# KiCad board klofi.kicad_pcb (continued)
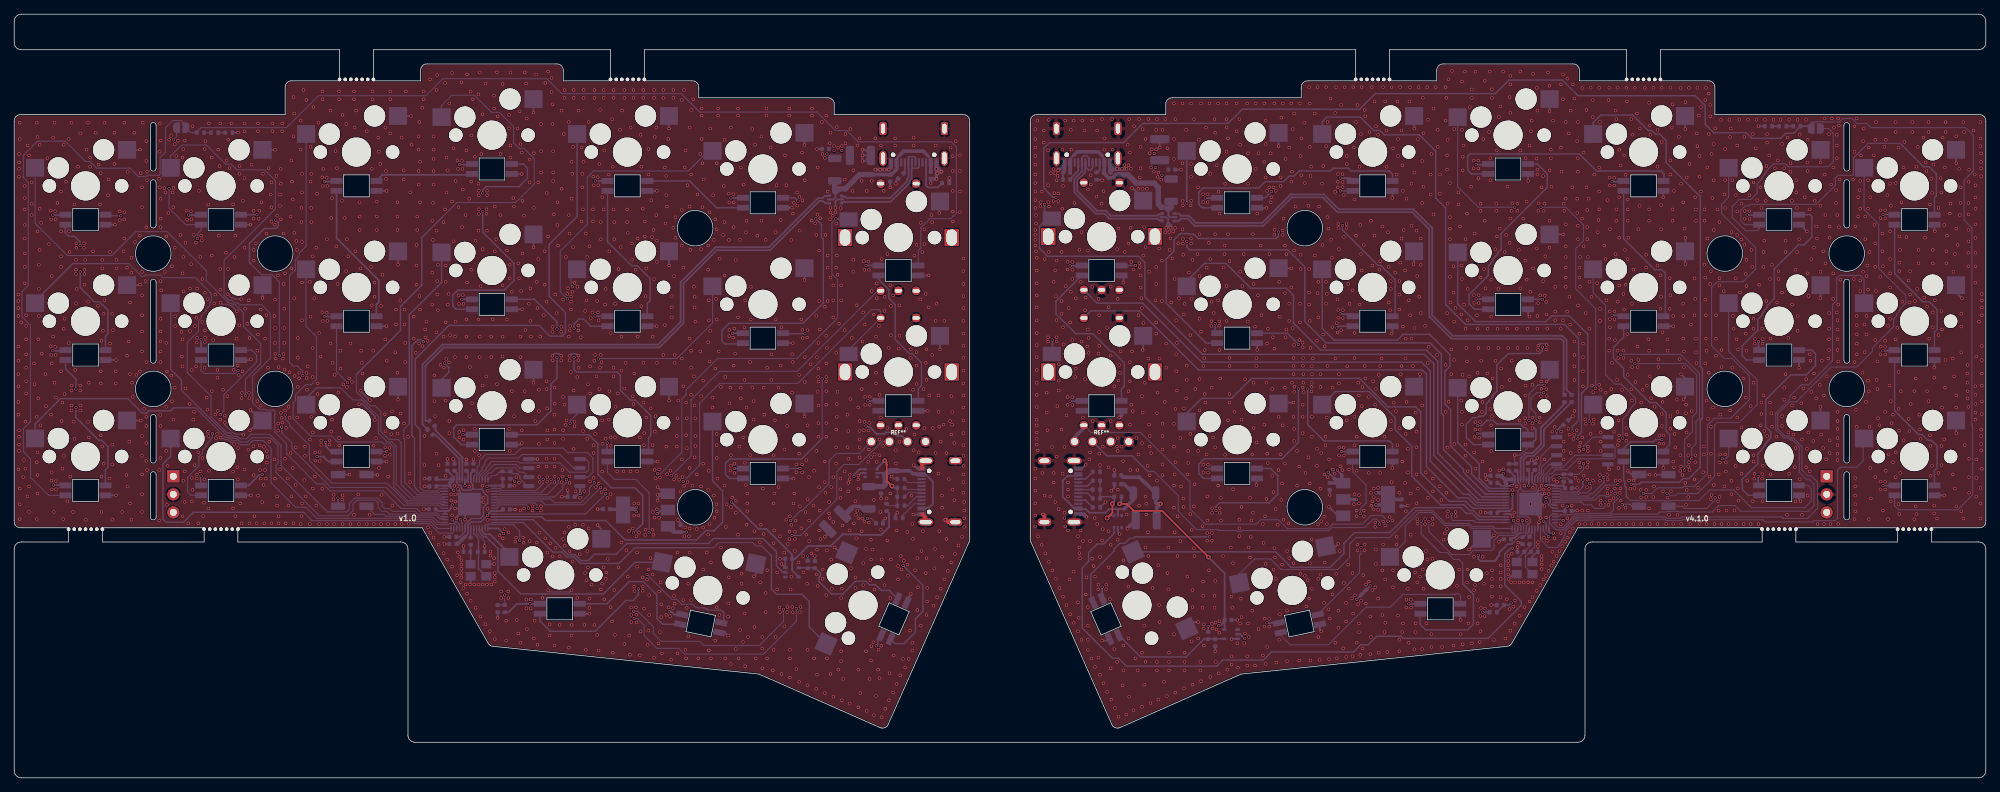
[diagram p0: board, top side]
## Routing (per net, layer and track width the routed paths; a pad name or vN(x,y) marks a point on that pad's centre or on a via; arc(x,y) is an arc through that point) (continued)
 v1(202.68,37.42) v1(202.7,36.86) v1(202.88,27.02) v1(203.08,82.42) v1(203.08,80.72) v1(203.18,29.32) v1(203.28,77.62) v1(203.38,20.22) v1(203.48,72.12) v1(203.48,65.22) v1(203.48,53.12) v1(203.58,98.02) v1(203.58,91.22) v1(203.58,70.22) v1(203.58,51.52) v1(203.58,49.72) v1(203.68,87.42) v1(203.68,85.52) v1(203.68,56.72) v1(203.68,18.8) v1(203.78,89.02) v1(203.88,66.62) v1(203.98,99.42) v1(204.08,75.82) v1(204.08,63.22) v1(204.08,46.92) v1(204.08,45.35) v1(204.18,60.52) v1(204.28,79.42) v1(204.28,58.62) v1(204.28,27.52) v1(204.38,68.82) v1(204.38,64.42) v1(204.38,43.16) v1(204.38,29.32) v1(204.48,21.72) v1(204.58,56.52) v1(204.58,25.42) v1(204.68,94.42) v1(204.88,83.22) v1(204.98,96.92) v1(204.98,95.72) v1(204.98,18.92) v1(205.24,86.9) v1(205.22,85.8) v1(205.26,67.96) v1(205.29,66.86) v1(205.34,47.98) v1(205.28,45.82) v1(205.26,31.12) v1(205.28,26.42) v1(205.38,76.62) v1(205.43,50.08) v1(205.4,27.14) v1(205.48,99.4) v1(205.47,49.01) v1(205.48,43.52) v1(205.68,65.12) v1(205.78,63.22) v1(205.78,57.02) v1(205.78,25.02) v1(205.78,21.72) v1(205.86,86.87) v1(205.89,85.78) v1(205.88,84.42) v1(205.93,67.93) v1(205.91,66.84) v1(205.88,60.52) v1(205.99,47.88) v1(206.12,50.08) v1(206.08,49.01) v1(206.15,22.79) v1(206.08,19.1) v1(206.18,80.82) v1(206.18,79.82) v1(206.18,70.42) v1(206.18,37.42) v1(206.24,23.9) v1(206.18,20.62) v1(206.28,58.72) v1(206.38,51.52) v1(206.48,52.92) v1(206.48,44.52) v1(206.48,31.1) v1(206.58,89.91) v1(206.68,71.62) v1(206.68,27.32) v1(206.78,98.12) v1(206.78,78.42) v1(206.8,23.85) v1(206.78,22.77) v1(206.88,68.92) v1(207.08,28.82) v1(207.18,63.22) v1(207.18,56.92) v1(207.28,60.52) v1(207.38,90.92) v1(207.48,99.4) v1(207.58,87.22) v1(207.58,84.12) v1(207.57,51.92) v1(207.58,43.32) v1(207.68,70.12) v1(207.68,64.92) v1(207.68,49.62) v1(207.68,46.02) v1(207.78,96.92) v1(207.78,95.72) v1(207.78,50.92) v1(207.78,29.22) v1(207.78,28.02) v1(207.78,26.92) v1(207.78,25.52) v1(207.88,56.22) v1(208.08,19.4) v1(208.28,74.42) v1(208.28,58.72) v1(208.38,80.82) v1(208.38,79.82) v1(208.48,88.32) v1(208.48,76.22) v1(208.58,63.22) v1(208.68,68.82) v1(208.68,60.52) v1(208.78,93.02) v1(208.81,43.27) v1(208.88,77.32) v1(208.98,94.52) v1(209.03,29.92) v1(209.03,28.92) v1(209.03,28.02) v1(209.03,26.97) v1(208.98,25.42) v1(209.08,57.62) v1(209.18,55.02) v1(209.38,99.4) v1(209.38,43.44) v1(209.58,74.02) v1(209.68,19.6) v1(209.78,76.42) v1(209.88,25.12) v1(209.98,83.22) v1(209.98,63.22) v1(210.08,60.52) v1(210.09,31.22) v1(210.09,30.52) v1(210.09,29.92) v1(210.09,29.32) v1(210.1,28.65) v1(210.28,95.82) v1(210.28,75.32) v1(210.28,56.02) v1(210.27,23.75) v1(210.38,98.82) v1(210.38,97.62) v1(210.38,93.62) v1(210.38,78.72) v1(210.38,20.7) v1(210.48,27.52) v1(210.65,80.85) v1(210.58,79.82) v1(210.58,58.72) v1(210.58,31.57) v1(210.7,40.51) v1(210.8,24.08) v1(210.93,37.32) v1(211.05,27.52) v1(211.01,24.94) v1(210.98,21.7) v1(211.35,79.82) v1(211.28,63.22) v1(211.28,41.02) v1(211.38,80.82) v1(211.38,60.52) v1(211.45,36.24) v1(211.58,74.32) v1(211.68,50.32) v1(211.68,27.52) v1(211.68,22.8) v1(211.78,99.4) v1(211.78,88.32) v1(211.78,68.92) v1(212.18,78.72) v1(212.25,27.52) v1(212.35,41.12) v1(212.45,50.63) v1(212.38,24) v1(212.51,87.22) v1(212.48,72.82) v1(212.48,55.22) v1(212.48,53.82) v1(212.48,49.92) v1(212.68,81.12) v1(212.68,70.12) v1(212.7,36.2) v1(212.78,63.22) v1(212.78,60.52) v1(212.88,27.52) v1(213.08,89.02) v1(213.08,24.82) v1(213.18,68.42) v1(213.28,91.02) v1(213.38,92.52) v1(213.48,55.32) v1(213.48,50.72) v1(213.48,49.92) v1(213.54,40.83) v1(213.48,27.52) v1(213.48,25.42) v1(213.58,99.1) v1(213.58,71.72) v1(214.04,87.18) v1(214.08,97.12) v1(214.08,74.52) v1(214.08,26.32) v1(214.18,93.92) v1(214.18,85.62) v1(214.18,84.92) v1(214.18,65.02) v1(214.18,63.22) v1(214.25,33.16) v1(214.35,80.85) v1(214.3,79.82) v1(214.28,66.82) v1(214.27,60.23) v1(214.48,50.72) v1(214.51,50.02) v1(214.58,67.92) v1(214.58,27.12) v1(214.71,55.79) v1(214.74,54.76) v1(214.68,53.72) v1(214.75,41.12) v1(214.78,83.12) v1(214.78,31.22) v1(214.78,30.64) v1(214.78,30.02) v1(214.78,29.39) v1(214.98,84.72) v1(214.98,69.92) v1(215.05,40.58) v1(215.08,79.82) v1(215.1,33.8) v1(215.08,27.92) v1(215.18,80.82) v1(215.2,67.85) v1(215.18,44.82) v1(215.28,73.42) v1(215.41,67) v1(215.41,60.3) v1(215.44,54.71) v1(215.4,36.65) v1(215.38,28.42) v1(215.48,65.22) v1(215.48,53.75) v1(215.54,33.36) v1(215.58,63.22) v1(215.68,99.3) v1(215.82,40.68) v1(215.79,39.93) v1(215.78,29.12) v1(215.88,97.42) v1(215.88,85.52) v1(215.88,78.42) v1(215.88,74.62) v1(216.08,88.42) v1(216.08,87.22) v1(216.18,83.22) v1(216.26,48.72) v1(216.21,29.86) v1(216.28,31.82) v1(216.38,92.52) v1(216.49,41.97) v1(216.48,30.42) v1(216.6,49.38) v1(216.58,33.72) v1(216.68,69.12) v1(216.68,65.62) v1(216.68,64.42) v1(216.95,41.66) v1(216.88,31.22) v1(217.28,31.92) v1(217.46,35.7) v1(217.46,34.44) v1(217.48,97.62) v1(217.48,88.72) v1(217.48,63.22) v1(217.49,48.72) v1(217.58,85.32) v1(217.73,38.34) v1(217.68,32.62) v1(217.78,99) v1(217.78,95.52) v1(217.78,64.42) v1(217.88,80.82) v1(217.88,47.32) v1(217.88,46.02) v1(217.88,44.82) v1(217.98,79.82) v1(218.08,33.22) v1(218.18,92.32) v1(218.18,81.52) v1(218.18,77.92) v1(218.18,74.82) v1(218.18,73.32) v1(218.18,71.82) v1(218.18,70.42) v1(218.18,69.12) v1(218.38,98.42) v1(218.38,65.62) v1(218.38,36.52) v1(218.38,33.82) v1(218.54,49.14) v1(218.58,90.72) v1(218.68,67.72) v1(218.7,48.32) v1(218.74,34.57) v1(218.78,63.82) v1(218.88,93.92) v1(218.88,45.72) v1(219.01,38.33) v1(219.08,83.12) v1(219.18,97.62) v1(219.25,47.72) v1(219.18,35.12) v1(219.38,95.62) v1(219.38,61.42) v1(219.38,59.52) v1(219.38,57.92) v1(219.38,56.02) v1(219.38,51.65) v1(219.37,48.27) v1(219.53,42.24) v1(219.69,48.92) v1(219.78,89.62) v1(219.78,81.52) v1(219.78,79.52) v1(219.88,92.32) v1(219.88,87.22) v1(219.88,85.32) v1(219.88,77.72) v1(219.88,75.82) v1(219.88,66.52) v1(219.96,41.8) v1(220.08,71.82) v1(220.08,70.42) v1(220.08,62.52) v1(220.08,46.64) v1(220.08,46.02) v1(220.08,44.42) v1(220.08,35.72) v1(220.18,73.32) v1(220.18,69.12) v1(220.22,47.2) v1(220.18,43.72) v1(220.48,97.12) v1(220.48,78.72) v1(220.48,47.92) v1(220.48,37.62) v1(220.58,61.12) v1(220.58,59.22) v1(220.58,57.22) v1(220.58,55.12) v1(220.68,88.02) v1(220.68,74.82) v1(220.7,42.53) v1(220.89,50.45) v1(220.88,35.75) v1(220.98,65.42) v1(220.99,49.83) v1(221.08,94.02) v1(221.08,83.12) v1(221.18,79.92) v1(221.18,77.52) v1(221.18,75.82) v1(221.18,43.72) v1(221.2,41.99) v1(221.17,40.91) v1(221.28,73.32) v1(221.28,46.62) v1(221.28,46.02) v1(221.28,44.42) v1(221.28,37.62) v1(221.38,81.52) v1(221.48,69.82) v1(221.48,63.22) v1(221.68,97.12) v1(221.68,48.42) v1(221.78,67.72) v1(221.77,35.75) v1(221.88,55.22) v1(221.98,95.42) v1(221.98,93.02) v1(222.03,54.3) v1(221.98,49.84) v1(221.99,41.83) v1(222.1,50.44) v1(222.18,84.92) v1(222.58,69.62) v1(222.68,76.82) v1(222.78,78.52) v1(222.77,35.75) v1(222.88,97.12) v1(222.88,85.92) v1(222.88,82.52) v1(222.88,80.02) v1(222.88,55.32) v1(222.98,92.32) v1(222.98,66.02) v1(222.98,64.32) v1(222.98,42.62) v1(222.98,41.82) v1(223.08,54.62) v1(223.08,48.62) v1(223.08,47.32) v1(223.08,46.02) v1(223.08,39.02) v1(223.08,38.42) v1(223.58,74.92) v1(223.67,35.75) v1(223.78,73.02) v1(223.78,54.22) v1(223.88,67.22) v1(223.98,42.62) v1(224.05,42.01) v1(224.03,40.04) v1(224.08,81.32) v1(224.08,40.72) v1(224.18,95.42) v1(224.18,38.42) v1(224.28,97.12) v1(224.34,84.5) v1(224.32,83.4) v1(224.35,65.65) v1(224.28,61.82) v1(224.28,60.12) v1(224.38,77.22) v1(224.39,64.56) v1(224.38,63.42) v1(224.38,39.02) v1(224.58,54.72) v1(224.68,58.42) v1(224.67,35.75) v1(224.91,39.37) v1(224.96,84.47) v1(224.99,83.38) v1(225.03,65.63) v1(225.01,64.54) v1(224.98,48.72) v1(225.08,61.62) v1(225.08,40.72) v1(225.1,40) v1(225.18,93.92) v1(225.18,73.72) v1(225.18,41.82) v1(225.28,92.72) v1(225.28,80.02) v1(225.28,78.42) v1(225.38,56.02) v1(225.48,97.12) v1(225.48,67.02) v1(225.48,60.12) v1(225.55,59.08) v1(225.48,46.82) v1(225.58,50.32) v1(225.64,47.5) v1(225.58,43.62) v1(225.66,38) v1(225.68,88.42) v1(225.68,81.72) v1(225.68,76.02) v1(225.68,69.32) v1(225.68,48.22) v1(225.67,35.75) v1(225.78,41.82) v1(225.83,40.74) v1(225.77,40.12) v1(225.88,86.22) v1(225.88,39.02) v1(226.08,54.62) v1(226.28,68.12) v1(226.28,60.12) v1(226.28,59.12) v1(226.38,87.62) v1(226.38,65.92) v1(226.48,74.32) v1(226.58,84.89) v1(226.58,69.42) v1(226.58,38.03) v1(226.68,97.12) v1(226.68,49.22) v1(226.68,48.32) v1(226.68,47.44) v1(226.67,35.75) v1(226.78,95.22) v1(226.82,62.46) v1(226.88,81.42) v1(226.88,80.02) v1(226.88,78.42) v1(226.88,73.02) v1(226.88,56.72) v1(226.98,76.02) v1(227.05,41.85) v1(227.25,40.71) v1(227.38,92.72) v1(227.38,58.72) v1(227.39,54.69) v1(227.48,66.72) v1(227.5,57.82) v1(227.48,53.12) v1(227.58,90.52) v1(227.68,71.52) v1(227.67,35.75) v1(227.8,40.8) v1(227.88,97.12) v1(227.98,55.72) v1(228.18,93.52) v1(228.28,60.72) v1(228.28,57.82) v1(228.38,77.22) v1(228.38,58.82) v1(228.58,91.42) v1(228.58,80.52) v1(228.7,40.52) v1(228.75,39.48) v1(228.78,52.82) v1(228.77,35.75) v1(228.98,54.62) v1(229.28,97.12) v1(229.48,73.62) v1(229.48,71.82) v1(229.48,40.52) v1(229.48,39.52) v1(229.58,55.22) v1(229.78,61.72) v1(229.88,95.02) v1(229.88,80.02) v1(229.88,78.42) v1(229.88,60.12) v1(229.88,37.92) v1(229.98,91.82) v1(229.98,56.52) v1(229.97,35.75) v1(230.08,90.52) v1(230.18,53.42) v1(230.48,97.12) v1(230.48,39.52) v1(230.58,41.02) v1(230.68,52.22) v1(231.08,91.22) v1(231.08,86.02) v1(231.08,72.12) v1(231.07,35.75) v1(231.18,58.92) v1(231.18,57.82) v1(231.35,48.15) v1(231.34,47.06) v1(231.48,70.72) v1(231.48,66.02) v1(231.58,80.62) v1(231.58,77.22) v1(231.58,67.72) v1(231.68,97.12) v1(231.68,89.52) v1(231.68,51.22) v1(231.68,49.52) v1(231.78,62.72) v1(231.78,52.92) v1(231.84,40.34) v1(231.91,48.2) v1(231.91,47.04) v1(232.27,35.75) v1(232.48,61.72) v1(232.48,60.12) v1(232.48,39.44) v1(232.68,37.02) v1(232.78,70.32) v1(232.78,66.02) v1(232.88,97.12) v1(232.88,86.92) v1(232.88,84.92) v1(232.88,67.92) v1(232.88,50.92) v1(232.88,49.12) v1(232.95,40.34) v1(233.08,91.52) v1(233.18,94.82) v1(233.18,80.02) v1(233.18,78.42) v1(233.28,65.02) v1(233.28,44.52) v1(233.27,35.75) v1(233.38,82.62) v1(233.38,43.72) v1(233.48,48.42) v1(233.58,46.52) v1(233.78,53.22) v1(233.88,51.52) v1(233.88,37.02) v1(234.08,90.22) v1(234.18,58.92) v1(234.26,43.22) v1(234.28,97.12) v1(234.28,45.42) v1(234.38,83.62) v1(234.38,43.82) v1(234.37,35.75) v1(234.58,42.62) v1(234.68,81.02) v1(234.68,66.72) v1(234.68,65.02) v1(234.68,61.82) v1(234.78,60.02) v1(234.78,57.82) v1(234.88,77.32) v1(234.98,95.12) v1(234.98,41.52) v1(235.08,52.52) v1(235.08,51.32) v1(235.08,38.42) v1(235.18,84.52) v1(235.18,48.62) v1(235.18,40.52) v1(235.38,45.42) v1(235.38,43.82) v1(235.38,39.52) v1(235.48,97.12) v1(235.48,46.82) v1(235.5,44.42) v1(235.58,86.42) v1(235.58,43.32) v1(235.67,35.75) v1(235.78,63.82) v1(235.88,51.62) v1(236.28,70.32) v1(236.28,65.12) v1(236.28,42.02) v1(236.38,81.72) v1(236.38,67.42) v1(236.38,45.42) v1(236.38,44.42) v1(236.48,80.02) v1(236.48,78.42) v1(236.48,61.82) v1(236.48,59.92) v1(236.54,58.38) v1(236.58,90.72) v1(236.68,97.12) v1(236.68,88.92) v1(236.78,40.82) v1(236.88,93.22) v1(236.98,87.52) v1(236.98,84.62) v1(236.98,35.76) v1(237.18,94.42) v1(237.18,82.52) v1(237.48,43.02) v1(237.59,46.65) v1(237.59,45.51) v1(237.68,80.02) v1(237.68,78.42) v1(237.68,72.22) v1(237.78,95.42) v1(237.78,70.42) v1(237.78,67.32) v1(237.78,58.32) v1(237.88,97.12) v1(237.88,65.12) v1(237.88,61.82) v1(237.98,60.12) v1(237.98,53.12) v1(237.97,35.73) v1(238.08,85.92) v1(238.08,75.92) v1(238.18,50.52) v1(238.28,96.32) v1(238.28,90.62) v1(238.28,57.02) v1(238.38,42.42) v1(238.48,94.72) v1(238.48,93.12) v1(238.48,69.52) v1(238.58,71.32) v1(238.58,49.42) v1(238.58,45.62) v1(238.58,39.22) v1(238.68,87.82) v1(238.68,39.79) v1(238.78,81.62) v1(238.88,52.12) v1(238.98,89.22) v1(238.98,84.12) v1(238.98,77.12) v1(238.98,41.22) v1(239.07,35.73) v1(239.18,91.42) v1(239.28,65.12) v1(239.28,61.82) v1(239.28,59.42) v1(239.48,80.02) v1(239.58,38.92) v1(239.68,42.72) v1(239.68,37.62) v1(239.78,78.22) v1(239.78,70.32) v1(239.78,69.32) v1(239.85,44.38) v1(239.79,39.54) v1(239.88,51.12) v1(239.88,45.52) v1(239.98,92.62) v1(240.08,60.22) v1(240.08,57.82) v1(240.07,35.73) v1(240.38,68.52) v1(240.48,82.12) v1(240.48,41.02) v1(240.58,88.52) v1(240.58,84.12) v1(240.58,80.22) v1(240.58,45.52) v1(240.68,44.42) v1(240.68,43.12) v1(240.78,37.62) v1(241.07,35.73) v1(241.18,92.62) v1(241.28,90.22) v1(241.28,51.72) v1(241.38,91.42) v1(241.48,76.82) v1(241.48,41.82) v1(241.48,39.92) v1(241.58,84.12) v1(241.58,57.72) v1(241.68,65.02) v1(241.78,63.22) v1(241.88,37.62) v1(242.08,82.02) v1(242.08,70.32) v1(242.08,43.92) v1(242.07,35.73) v1(242.18,61.72) v1(242.28,89.02) v1(242.28,79.72) v1(242.28,76.42) v1(242.28,50.72) v1(242.34,40.74) v1(242.38,60.32) v1(242.48,39.02) v1(242.58,92.62) v1(242.68,68.32) v1(242.83,75.76) v1(242.88,80.82) v1(242.88,49.32) v1(242.88,42.82) v1(243.18,56.22) v1(243.17,35.73) v1(243.28,90.22) v1(243.34,79.8) v1(243.32,78.7) v1(243.29,75.03) v1(243.48,70.92) v1(243.48,62.52) v1(243.48,53.52) v1(243.58,72.92) v1(243.58,69.22) v1(243.58,60.12) v1(243.68,41.82) v1(243.78,92.62) v1(243.98,82.02) v1(243.96,79.77) v1(243.99,78.68) v1(244.18,52.32) v1(244.17,35.73) v1(244.28,74.32) v1(244.38,71.92) v1(244.48,90.62) v1(244.48,38.92) v1(244.58,83.82) v1(244.58,64.62) v1(244.58,63.22) v1(244.58,55.62) v1(244.58,45.42) v1(244.58,44.52) v1(244.76,61.77) v1(244.73,61.11) v1(244.7,42.77) v1(244.68,42.11) v1(244.88,88.62) v1(244.98,92.62) v1(245.08,81.32) v1(245.27,35.73) v1(245.38,69.42) v1(245.58,83.12) v1(245.58,49.62) v1(245.68,80.22) v1(245.68,52.82) v1(245.68,51.22) v1(245.78,63.22) v1(245.85,61.75) v1(245.83,61.13) v1(245.79,42.75) v1(245.77,42.13) v1(245.83,38.92) v1(245.88,43.92) v1(245.98,74.02) v1(245.98,71.92) v1(245.98,53.82) v1(246.08,75.62) v1(246.08,48.82) v1(246.18,92.62) v1(246.28,81.22) v1(246.38,86.12) v1(246.38,67.12) v1(246.48,90.62) v1(246.48,89.42) v1(246.48,48.12) v1(246.78,87.62) v1(246.88,70.22) v1(246.88,52.82) v1(246.98,61.82) v1(246.98,42.72) v1(247.08,51.32) v1(247.18,72.22) v1(247.18,49.42) v1(247.38,92.62) v1(247.58,85.82) v1(247.78,48.02) v1(247.88,66.92) v1(247.98,86.92) v1(248.08,71.32) v1(248.08,70.22) v1(248.38,92.62) v1(248.58,89.22) v1(248.58,68.32) v1(248.58,50.92) v1(248.58,49.52) v1(248.88,85.82) v1(248.88,54.92) v1(248.88,53.22) v1(249.08,75.62) v1(249.08,74.02) v1(249.08,56.82) v1(249.28,37.02) v1(249.38,90.12) v1(249.48,61.92) v1(249.48,48.62) v1(249.58,92.62) v1(249.58,42.82) v1(249.78,86.52) v1(249.78,85.32) v1(249.98,81.22) v1(249.98,66.62) v1(249.98,52.42) v1(250.18,48.32) v1(250.28,53.52) v1(250.38,43.72) v1(250.48,71.52) v1(250.48,46.42) v1(250.48,38.92) v1(250.58,84.12) v1(250.58,82.42) v1(250.68,80.22) v1(250.68,74.02) v1(250.78,92.62) v1(250.78,65.02) v1(250.78,62.92) v1(250.98,75.82) v1(251.08,90.52) v1(251.08,42.02) v1(251.28,52.72) v1(251.38,47.62) v1(251.38,37.03) v1(251.58,54.82) v1(251.78,81.72) v1(251.98,92.62) v1(251.98,56.12) v1(251.98,43.72) v1(252.08,46.32) v1(252.18,89.82) v1(252.18,86.62) v1(252.18,85.42) v1(252.18,71.02) v1(252.18,39.72) v1(252.28,67.82) v1(252.28,48.62) v1(252.48,80.02) v1(252.48,59.62) v1(252.48,43.12) v1(252.58,58.72) v1(252.68,73.02) v1(252.68,54.32) v1(252.98,47.42) v1(253.08,74.62) v1(253.08,56.92) v1(253.18,81.22) v1(253.38,77.62) v1(253.38,53.42) v1(253.48,75.92) v1(253.58,35.73) v1(253.88,55.32) v1(253.98,80.52) v1(253.98,71.22) v1(254.08,48.32) v1(254.18,58.72) v1(254.38,74.12) v1(254.38,46.42) v1(254.48,53.82) v1(254.48,35.73) v1(254.58,92.82) v1(254.58,84.92) v1(254.68,79.22) v1(254.68,72.42) v1(254.78,44.82) v1(254.88,56.52) v1(255.08,59.02) v1(255.18,90.62) v1(255.18,65.42) v1(255.18,63.22) v1(255.18,61.72) v1(255.18,60.22) v1(255.28,77.62) v1(255.28,76.02) v1(255.28,47.52) v1(255.28,45.72) v1(255.38,35.73) v1(255.48,83.52) v1(255.58,92.82) v1(255.78,85.92) v1(255.78,71.02) v1(255.78,67.42) v1(255.88,91.52) v1(256.18,82.72) v1(256.18,80.92) v1(256.28,90.52) v1(256.28,89.02) v1(256.28,87.22) v1(256.35,79.22) v1(256.28,65.52) v1(256.38,64.42) v1(256.38,63.12) v1(256.38,61.72) v1(256.38,60.22) v1(256.38,51.52) v1(256.38,50.22) v1(256.38,49.12) v1(256.38,47.82) v1(256.38,46.82) v1(256.38,45.62) v1(256.38,44.72) v1(256.48,92.82) v1(256.48,66.62) v1(256.48,58.62) v1(256.48,35.73) v1(256.58,91.82) v1(256.58,77.52) v1(256.68,84.22) v1(256.78,70.12) v1(258.58,84.22) v1(258.68,70.22) v1(258.78,91.72) v1(258.78,88.12) v1(258.78,58.52) v1(258.78,36.42) v1(258.88,77.62) v1(258.88,42.22) v1(258.88,41.02) v1(258.88,39.72) v1(258.88,38.52) v1(258.88,37.52) v1(258.98,51.82) v1(259.08,92.82) v1(259.08,65.02) v1(259.08,63.72) v1(259.08,62.42) v1(259.08,61.12) v1(259.08,59.62) v1(259.08,49.42) v1(259.28,81.72) v1(259.28,79.02) v1(259.48,82.72) v1(259.58,84.02) v1(259.58,80.12) v1(259.58,70.02) v1(259.58,68.52) v1(259.68,87.62) v1(259.88,57.02) v1(259.98,89.62) v1(259.98,71.22) v1(260.08,91.42) v1(260.18,63.82) v1(260.18,59.92) v1(260.28,79.02) v1(260.28,75.82) v1(260.38,52.92) v1(260.48,70.62) v1(260.48,65.02) v1(260.48,62.42) v1(260.58,72.12) v1(260.68,84.12) v1(260.68,80.12) v1(260.68,68.72) v1(260.68,55.92) v1(260.78,88.72) v1(260.78,54.42) v1(260.78,36.4) v1(260.88,74.02) v1(260.88,49.42) v1(260.98,81.72) v1(260.98,43.62) v1(261.08,39.32) v1(261.48,87.62) v1(261.58,77.82) v1(261.68,89.82) v1(261.68,75.22) v1(261.68,71.92) v1(261.68,61.62) v1(261.68,42.32) v1(261.78,92.3) v1(261.78,68.52) v1(261.88,56.02) v1(261.98,58.62) v1(261.98,54.72) v1(262.08,50.62) v1(262.28,49.62) v1(262.44,79.9) v1(262.42,78.8) v1(262.38,70.52) v1(262.44,60.7) v1(262.42,59.6) v1(262.44,41.7) v1(262.42,40.6) v1(262.68,76.62) v1(262.68,74.12) v1(262.78,72.02) v1(262.78,37.62) v1(262.98,88.82) v1(263.06,79.87) v1(263.09,78.78) v1(263.08,61.52) v1(263.06,60.67) v1(263.09,59.58) v1(263.08,51.52) v1(263.06,41.67) v1(263.09,40.58) v1(263.18,89.82) v1(263.18,43.22) v1(263.38,82.02) v1(263.48,63.62) v1(263.48,36.4) v1(263.58,45.52) v1(263.68,55.22) v1(263.78,83.62) v1(263.78,76.92) v1(263.78,73.02) v1(263.78,71.02) v1(263.78,69.02) v1(263.78,64.62) v1(263.88,80.52) v1(263.88,53.02) v1(263.88,38.92) v1(263.98,49.92) v1(264.18,51.12) v1(264.18,44.42) v1(264.58,92.3) v1(264.58,90.92) v1(264.58,83.72) v1(264.58,61.72) v1(264.58,45.82) v1(264.58,42.32) v1(264.78,63.32) v1(264.98,88.72) v1(264.98,57.12) v1(264.98,51.92) v1(265.03,48.86) v1(264.98,38.52) v1(265.08,76.22) v1(265.08,72.52) v1(265.08,71.32) v1(265.08,37.12) v1(265.18,74.32) v1(265.18,42.92) v1(265.28,54.42) v1(265.38,81.02) v1(265.48,67.02) v1(265.68,85.92) v1(265.68,47.52) v1(265.78,89.52) v1(266.08,76.12) v1(266.38,70.02) v1(266.38,50.52) v1(266.48,66.92) v1(266.48,48.82) v1(266.58,71.32) v1(266.58,68.02) v1(266.68,52.62) v1(266.88,92.3) v1(266.88,90.92) v1(267.18,54.42) v1(267.18,36.4) v1(267.28,67.12) v1(267.38,56.22) v1(267.38,38.22) v1(267.48,86.02) v1(267.48,37.12) v1(267.58,68.82) v1(267.68,88.82) v1(267.78,74.32) v1(267.78,72.42) v1(267.88,51.12) v1(267.98,49.02) v1(268.08,47.72) v1(268.48,90.12) v1(268.58,67.62) v1(268.68,76.02) v1(268.78,86.62) v1(268.88,85.42) v1(268.98,66.32) v1(268.98,54.42) v1(269.18,92.3) v1(269.18,90.92) v1(269.18,53.02) v1(269.28,61.82) v1(269.38,80.72) v1(269.38,48.22) v1(269.48,46.72) v1(269.48,42.52) v1(269.58,84.32) v1(269.68,82.32) v1(269.68,43.92) v1(269.78,74.32) v1(269.78,72.42) v1(269.78,65.52) v1(269.78,63.42) v1(269.88,86.32) v1(269.98,56.32) v1(269.98,38.32) v1(269.98,37.22) v1(270.08,67.22) v1(270.38,36.5) v1(270.58,80.22) v1(270.58,62.32) v1(270.58,42.92) v1(270.88,84.42) v1(270.98,82.42) v1(270.98,65.72) v1(270.98,46.72) v1(270.98,44.02) v1(271.08,63.12) v1(271.08,52.12) v1(271.18,90.12) v1(271.38,77.82) v1(271.38,47.62) v1(271.48,85.92) v1(271.48,54.92) v1(271.58,92.3) v1(271.58,90.92) v1(271.58,58.82) v1(271.68,74.12) v1(271.68,72.42) v1(271.78,76.32) v1(272.18,79.42) v1(272.28,80.82) v1(272.58,59.02) v1(272.58,42.72) v1(272.68,71.22) v1(272.78,56.52) v1(272.88,73.72) v1(272.88,40.72) v1(273.08,90.32) v1(273.08,77.32) v1(273.08,53.82) v1(273.08,52.12) v1(273.08,38.22) v1(273.28,75.02) v1(273.48,85.72) v1(273.58,79.22) v1(273.69,83.12) v1(273.68,80.92) v1(273.78,65.32) v1(273.78,63.52) v1(273.78,59.92) v1(273.78,37.52) v1(274.08,92.3) v1(274.08,36.5) v1(274.18,90.92) v1(274.28,46.82) v1(274.68,58.12) v1(274.68,56.92) v1(274.68,55.62) v1(274.68,54.42) v1(274.68,53.42) v1(274.79,83.9) v1(274.79,80.9) v1(274.79,79.3) v1(274.78,77.12) v1(274.78,75.52) v1(274.78,73.92) v1(274.78,72.02) v1(274.78,52.22) v1(274.88,85.62) v1(274.88,44.92) v1(274.88,42.32) v1(274.88,40.12) v1(275.48,91.12) v1(275.68,84.92) v1(275.78,83.4) v1(275.78,81.7) v1(275.78,80.1) v1(275.78,77.9) v1(275.78,76) v1(275.78,73.9) v1(275.78,72) v1(275.78,69.7) v1(275.78,55.12) v1(275.78,53.92) v1(275.78,52.62) v1(275.78,51.42) v1(275.78,50.42) v1(275.88,59.32) v1(275.88,44.82) v1(275.88,42.22) v1(275.88,39.62) v1(276.28,64.2) v1(276.48,92.3) v1(276.48,90) v1(276.48,88.92) v1(276.48,40.8) v1(276.48,38.6) v1(276.48,36.5) v1(276.58,87.9) v1(276.58,86.7) v1(276.58,85.8) v1(276.58,84.7) v1(276.58,49) v1(276.58,48.1) v1(276.58,47) v1(276.58,46.1) v1(276.68,68.1) v1(276.68,67.2) v1(276.68,66.2) v1(276.68,65.1) v1(276.68,60.8) v1(276.68,58.8) v1(276.68,56.9) v1(276.68,55.2) v1(276.68,53) v1(276.68,51.2) v1(276.68,43.5)
